# Altium PCB usb-cereal-pcb.PcbDoc (continued)
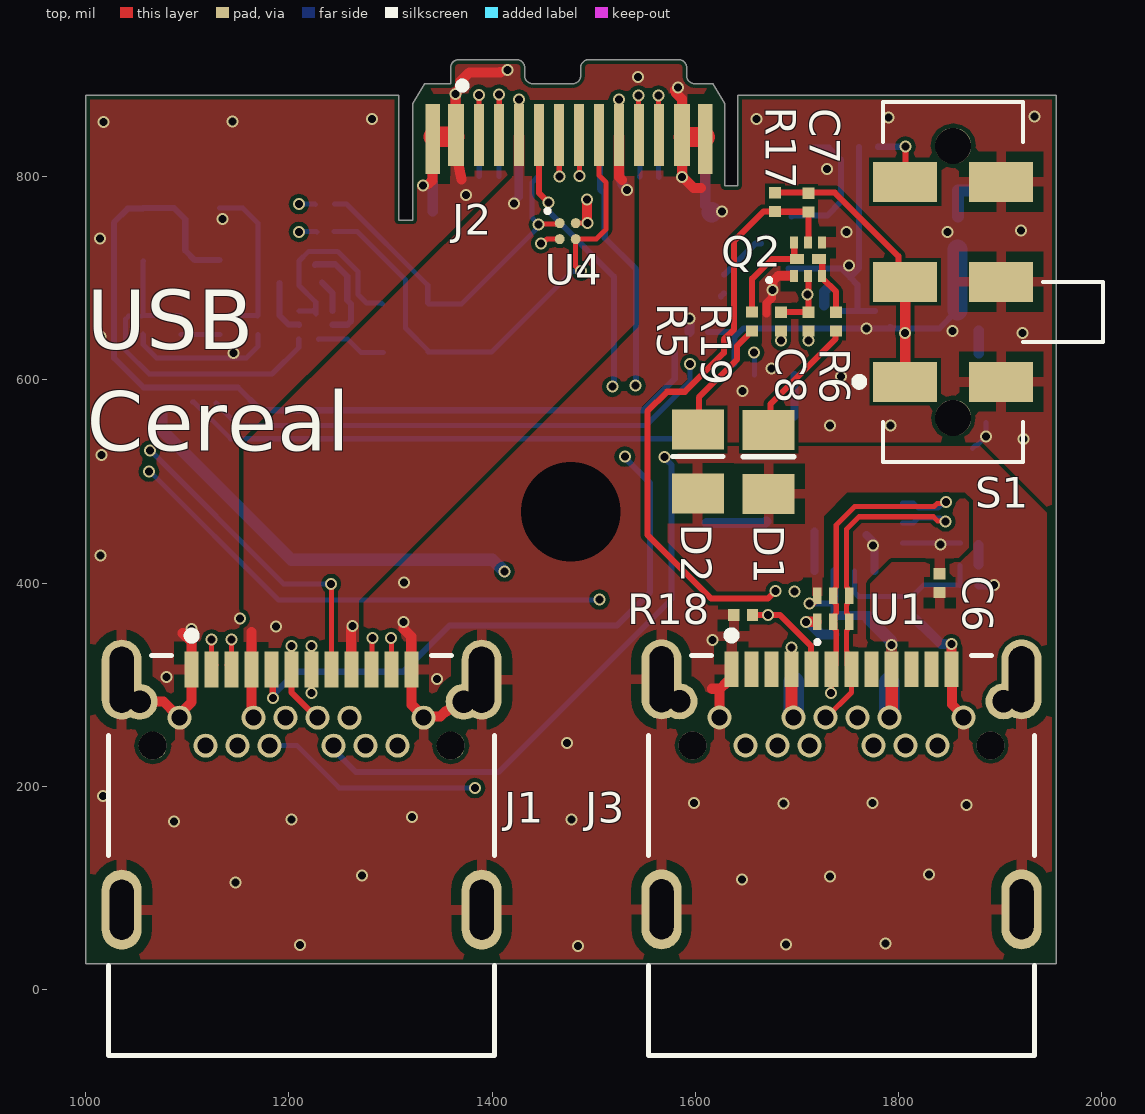
[diagram p0: top view]
## Part data
C1 C2 C9 C10: library part GRM033R60J105MEA2D, "CAP CER 1UF 6.3V X5R 0201", Digi-Key Part Number=490-7229-1-ND, Manufacturer="Murata Electronics North America", Operating Temperature="-55°C ~ 85°C", Package / Case="0.024\" L x 0.012\" W (0.60mm x 0.30mm)", Ratings=-, Temperature Coefficient=X5R, Tolerance=±20%, Voltage=6.3V, @ qty=0, Applications="General Purpose", Datasheets=http://www.murata.com/~/media/webrenewal/support/library/catalog/products/capacitor/mlcc/c02e.pdf, Factory Stock=0, Failure Rate="Surface Mount, MLCC", Features="Derating Recommended", Height - Seated (Max)="0.013\" (0.33mm)", Image=//media.digikey.com/Renders/Murata%20Renders/ZRB-SERIES-0402.jpg, Lead Spacing=-, Minimum Quantity=1, Mounting Type="0201 (0603 Metric)", Packaging="Cut Tape (CT)", Part Number=GRM033R60J105MEA2D, Part Status=Active, Quantity Available=223818, Series=GRM, Size / Dimension=-, Thickness (Max)=-, Unit Price (USD)=0.12
C3 C5: library part GRM033R61A104KE15D, "CAP CER 0.1UF 10V X5R 0201", Digi-Key Part Number=490-5881-1-ND, Manufacturer="Murata Electronics North America", Operating Temperature="-55°C ~ 85°C", Package / Case="0.024\" L x 0.012\" W (0.60mm x 0.30mm)", Ratings=-, Temperature Coefficient=X5R, Tolerance=±10%, Voltage=10V, @ qty=0, Applications="General Purpose", Datasheets=http://www.murata.com/~/media/webrenewal/support/library/catalog/products/capacitor/mlcc/c02e.pdf, Factory Stock=0, Failure Rate="Surface Mount, MLCC", Features=-, Height - Seated (Max)="0.013\" (0.33mm)", Image=//media.digikey.com/Renders/Murata%20Renders/ZRB-SERIES-0402.jpg, Lead Spacing=-, Minimum Quantity=1, Mounting Type="0201 (0603 Metric)", Packaging="Cut Tape (CT)", Part Number=GRM033R61A104KE15D, Part Status=Active, Quantity Available=6540866, Series=GRM, Size / Dimension=-, Thickness (Max)=-, Unit Price (USD)=0.1
C4: library part GRM035R60J475ME15D, "CAP CER 4.7UF 6.3V X5R 0201", Digi-Key Part Number=490-13230-1-ND, Manufacturer="Murata Electronics North America", Operating Temperature="-55°C ~ 85°C", Package / Case="0.024\" L x 0.012\" W (0.60mm x 0.30mm)", Ratings=-, Temperature Coefficient=X5R, Tolerance=±20%, Voltage=6.3V, @ qty=0, Applications="General Purpose", Datasheets=http://psearch.en.murata.com/capacitor/product/GRM035R60J475ME15%23.pdf, Factory Stock=0, Failure Rate="Surface Mount, MLCC", Features="Derating Recommended", Height - Seated (Max)="0.022\" (0.55mm)", Image=//media.digikey.com/Renders/Murata%20Renders/ZRB-SERIES-0402.jpg, Lead Spacing=-, Minimum Quantity=1, Mounting Type="0201 (0603 Metric)", Packaging="Cut Tape (CT)", Part Number=GRM035R60J475ME15D, Part Status=Active, Quantity Available=67188, Series=GRM, Size / Dimension=-, Thickness (Max)=-, Unit Price (USD)=0.54
C6: library part GRM033R61A103KA01J, "CAP CER 10000PF 10V X5R 0201", Digi-Key Part Number=490-8156-1-ND, Manufacturer="Murata Electronics North America", Operating Temperature="-55°C ~ 85°C", Package / Case="0.024\" L x 0.012\" W (0.60mm x 0.30mm)", Ratings=-, Temperature Coefficient=X5R, Tolerance=±10%, Voltage=10V, @ qty=0, Applications="General Purpose", Datasheets=http://www.murata.com/~/media/webrenewal/support/library/catalog/products/capacitor/mlcc/c02e.pdf, Factory Stock=0, Failure Rate="Surface Mount, MLCC", Features=-, Height - Seated (Max)="0.013\" (0.33mm)", Image=//media.digikey.com/Renders/Murata%20Renders/ZRB-SERIES-0402.jpg, Lead Spacing=-, Minimum Quantity=1, Mounting Type="0201 (0603 Metric)", Packaging="Cut Tape (CT)", Part Number=GRM033R61A103KA01J, Part Status=Active, Quantity Available=134975, Series=GRM, Size / Dimension=-, Thickness (Max)=-, Unit Price (USD)=0.1
C7 C8: library part GRM033R61A225KE47D, "CAP CER 2.2UF 10V X5R 0201", Digi-Key Part Number=490-13227-1-ND, Manufacturer="Murata Electronics North America", Operating Temperature="-55°C ~ 85°C", Package / Case="0.024\" L x 0.012\" W (0.60mm x 0.30mm)", Ratings=-, Temperature Coefficient=X5R, Tolerance=±10%, Voltage=10V, @ qty=0, Applications="General Purpose", Datasheets=http://www.murata.com/~/media/webrenewal/support/library/catalog/products/capacitor/mlcc/c02e.pdf, Factory Stock=0, Failure Rate="Surface Mount, MLCC", Features="Derating Recommended", Height - Seated (Max)="0.015\" (0.39mm)", Image=//media.digikey.com/Renders/Murata%20Renders/ZRB-SERIES-0402.jpg, Lead Spacing=-, Minimum Quantity=1, Mounting Type="0201 (0603 Metric)", Packaging="Cut Tape (CT)", Part Number=GRM033R61A225KE47D, Part Status=Active, Quantity Available=8, Series=GRM, Size / Dimension=-, Thickness (Max)=-, Unit Price (USD)=0.28
D1: "LED", Color=Green
D2: "LED", Color=Yellow
D5: "Dual Schottky Barrier Diodes, 6-Pin SOT-363, Tape and Reel", Manufacturer="On Semiconductor", Supplier Part Number 1=MBD54DWT1OSCT-ND, ComponentLink1Description="Manufacturer URL", ComponentLink1URL=http://www.onsemi.com/, ComponentLink2Description=Datasheet, ComponentLink2URL=http://www.onsemi.cn/pub_link/Collateral/MBD54DWT1-D.PDF, ComponentLink3Description="Package Specification", ComponentLink3URL=http://www.onsemi.com/pub_link/Collateral/NTJD4001N-D.PDF, Configuration=Dual, DatasheetVersion="Rev. 7", IFSM Max (A)=0.6, Mounting Technology="Surface Mount", PackageDescription="6-Pin Small Outline Transistor, Body 2 x 1.25 mm, Pitch 0.65 mm", PackageReference=SOT-363-6-419B-02_W, PackageVersion="Rev. W, 01/2006", Packing="Tape and Reel", PartNumber=MBD54DWT1, RoHS=FALSE, Supplier 1=Digi-Key, trr Max (ns)=5
J1 J3: "Type C, USB 3.1 Gen 2, 5 A, Right Angle, Surface Mount _SMT_ , USB Receptacle", Package=None, Availability=Unavailable, CUI_purchase_URL=https://www.cuidevices.com/product/interconnect/connectors/usb-connectors/uj31-ch-g1-smt-tr?utm_source=snapeda.com&utm_medium=referral&utm_campaign=snapedaBOM, MF="CUI Devices", MP=UJ31-CH-G1-SMT-TR, Price=None, SnapEDA_Link=https://www.snapeda.com/parts/UJ31-CH-G1-SMT-TR/CUI%20Devices/view-part/2754415/?ref=snap
J2: "USB-C _USB TYPE-C_ USB 3.1 _USB 3.1 Gen 2, Superspeed+_ Plug Connector 24 Position Board Edge, Straddle Mount", Package=None, Digi-Key_Part_Number=670-2868-1-ND, Digi-Key_Purchase_URL=https://www.digikey.tw/product-detail/en/jae-electronics/DX07P024AJ1R1500/670-2868-1-ND/6003057?utm_source=snapeda&utm_medium=aggregator&utm_campaign=symbol, MF="JAE Electronics", MP=DX07P024AJ1R1500, SnapEDA_Link=https://www.snapeda.com/parts/DX07P024AJ1R1500/JAE%20Electronics/view-part/699541/?ref=snap
Q1 Q2: "Dual N-Channel Trench MOSFET, 20 V, 0.6 A, -55 to 150 degC, 8-Pin SOT1216", Manufacturer="NXP Semiconductors", Supplier Part Number 1=PMDXB600UNEZ-ND, Channel Type=N, Ciss [typ] (pF)=21.3, ComponentLink1Description="Manufacturer URL", ComponentLink1URL=http://www.nxp.com/, ComponentLink2Description=Datasheet, ComponentLink2URL=http://www.nxp.com/documents/data_sheet/PMDXB600UNE.pdf, ComponentLink3Description="Package Specification", ComponentLink3URL=http://www.nxp.com/documents/outline_drawing/sot1216_po.pdf, Coss [typ] (pF)=5.4, DatasheetVersion="Rev. 1", ID [max] (A)=0.6, Mounting Technology="Surface Mount", PackageDescription="6-Pin Small Outline No-Lead, Body 1.1 x 1 mm, Pitch 0.35 mm", PackageReference=SOT1216, PackageVersion="13-03-06, 03/2013", PartNumber=PMDXB600UNEZ, Supplier 1=Digi-Key, Supplier 2=Newark, Supplier 3=Mouser, Supplier Part Number 2=23X8428, Supplier Part Number 3=771-PMDXB600UNEZ, VDS [max] (V)=20, VGSth [typ] (V)=0.7
R1 R2 R7 R8 R13 R14 R16: library part ERJ-1GN0R00C, "RES SMD 0.0OHM JUMPER 1/20W 0201", Digi-Key Part Number=P15979CT-ND, Manufacturer="Panasonic Electronic Components", Operating Temperature="-55°C ~ 125°C", Package / Case="0201 (0603 Metric)", Power (Watts)="0.05W, 1/20W", Supplier Device Package=0201, Temperature Coefficient=-, Tolerance=Jumper, @ qty=1500, Composition="Thick Film", Datasheets=http://industrial.panasonic.com/www-cgi/jvcr13pz.cgi?E+PZ+3+AOA0001+ERJ1GN0R00C+8+WW, Factory Stock=0, Failure Rate=-, Features="Automotive AEC-Q200", Height - Seated (Max)="0.010\" (0.26mm)", Image=//media.digikey.com/Renders/Panasonic%20Renders/ERJ-0201%20Pkg.jpg, Minimum Quantity=1, Number of Terminations=2, Packaging="Cut Tape (CT)", Part Number=ERJ-1GN0R00C, Part Status=Active, Quantity Available=1815300, Series=ERJ, Size / Dimension="0.024\" L x 0.012\" W (0.60mm x 0.30mm)", Unit Price (USD)=0.00864
  R13 R14: Populate=DNS
R3 R4: library part ERJ-2GEJ620X, "RES SMD 62 OHM 5% 1/10W 0402", Digi-Key Part Number=P62JCT-ND, Manufacturer="Panasonic Electronic Components", Operating Temperature="-55°C ~ 155°C", Package / Case="0402 (1005 Metric)", Power (Watts)="0.1W, 1/10W", Supplier Device Package=0402, Temperature Coefficient=±200ppm/°C, Tolerance=±5%, @ qty=1500, Composition="Thick Film", Datasheets=http://industrial.panasonic.com/www-cgi/jvcr13pz.cgi?E+PZ+3+AOA0001+ERJ2GEJ620X+7+WW, Factory Stock=0, Failure Rate=-, Features="Automotive AEC-Q200", Height - Seated (Max)="0.016\" (0.40mm)", Image=//media.digikey.com/Photos/Panasonic%20Photos/ERJ-PA2-Series.jpg, Minimum Quantity=1, Number of Terminations=2, Packaging="Cut Tape (CT)", Part Number=ERJ-2GEJ620X, Part Status=Active, Quantity Available=429144, Series=ERJ, Size / Dimension="0.039\" L x 0.020\" W (1.00mm x 0.50mm)", Unit Price (USD)=0.00350
R5: library part ERJ-1GEF1001C, "RES SMD 1K OHM 1% 1/20W 0201", Digi-Key Part Number=P1.00KABCT-ND, Manufacturer="Panasonic Electronic Components", Operating Temperature="-55°C ~ 125°C", Package / Case="0201 (0603 Metric)", Power (Watts)="0.05W, 1/20W", Supplier Device Package=0201, Temperature Coefficient=±200ppm/°C, Tolerance=±1%, @ qty=1500, Composition="Thick Film", Datasheets=//media.digikey.com/pdf/Data%20Sheets/Panasonic%20Resistors%20Thermistors%20PDFs/ERJ_G,R,E_Rev08.pdf, Factory Stock=0, Failure Rate=-, Features=-, Height - Seated (Max)="0.010\" (0.26mm)", Image=//media.digikey.com/Renders/Panasonic%20Renders/ERJ-0201%20Pkg.jpg, Minimum Quantity=1, Number of Terminations=2, Packaging="Cut Tape (CT)", Part Number=ERJ-1GEF1001C, Part Status=Active, Quantity Available=359548, Series=ERJ, Size / Dimension="0.024\" L x 0.012\" W (0.60mm x 0.30mm)", Unit Price (USD)=0.00933
R6: library part ERJ-1GEF2700C, "RES SMD 270 OHM 1% 1/20W 0201", Digi-Key Part Number=P270ABCT-ND, Manufacturer="Panasonic Electronic Components", Operating Temperature="-55°C ~ 125°C", Package / Case="0201 (0603 Metric)", Power (Watts)="0.05W, 1/20W", Supplier Device Package=0201, Temperature Coefficient=±200ppm/°C, Tolerance=±1%, @ qty=1500, Composition="Thick Film", Datasheets=//media.digikey.com/pdf/Data%20Sheets/Panasonic%20Resistors%20Thermistors%20PDFs/ERJ_G,R,E_Rev08.pdf, Factory Stock=0, Failure Rate=-, Features=-, Height - Seated (Max)="0.010\" (0.26mm)", Image=//media.digikey.com/Renders/Panasonic%20Renders/ERJ-0201%20Pkg.jpg, Minimum Quantity=1, Number of Terminations=2, Packaging="Cut Tape (CT)", Part Number=ERJ-1GEF2700C, Part Status=Active, Quantity Available=19115, Series=ERJ, Size / Dimension="0.024\" L x 0.012\" W (0.60mm x 0.30mm)", Unit Price (USD)=0.00933
R9 R10: library part ERJ-1GEF5362C, "RES SMD 53.6K OHM 1% 1/20W 0201", Digi-Key Part Number=P53.6KABCT-ND, Manufacturer="Panasonic Electronic Components", Operating Temperature="-55°C ~ 125°C", Package / Case="0201 (0603 Metric)", Power (Watts)="0.05W, 1/20W", Supplier Device Package=0201, Temperature Coefficient=±200ppm/°C, Tolerance=±1%, @ qty=1500, Composition="Thick Film", Datasheets=//media.digikey.com/pdf/Data%20Sheets/Panasonic%20Resistors%20Thermistors%20PDFs/ERJ_G,R,E_Rev08.pdf, Factory Stock=0, Failure Rate=-, Features=-, Height - Seated (Max)="0.010\" (0.26mm)", Image=//media.digikey.com/Renders/Panasonic%20Renders/ERJ-0201%20Pkg.jpg, Minimum Quantity=1, Number of Terminations=2, Packaging="Cut Tape (CT)", Part Number=ERJ-1GEF5362C, Part Status=Active, Quantity Available=73542, Series=ERJ, Size / Dimension="0.024\" L x 0.012\" W (0.60mm x 0.30mm)", Unit Price (USD)=0.00933
R11: library part ERJ-1GEF2212C, "RES SMD 22.1K OHM 1% 1/20W 0201", Digi-Key Part Number=P22.1KABCT-ND, Manufacturer="Panasonic Electronic Components", Operating Temperature="-55°C ~ 125°C", Package / Case="0201 (0603 Metric)", Power (Watts)="0.05W, 1/20W", Supplier Device Package=0201, Temperature Coefficient=±200ppm/°C, Tolerance=±1%, @ qty=1500, Composition="Thick Film", Datasheets=//media.digikey.com/pdf/Data%20Sheets/Panasonic%20Resistors%20Thermistors%20PDFs/ERJ_G,R,E_Rev08.pdf, Factory Stock=0, Failure Rate=-, Features=-, Height - Seated (Max)="0.010\" (0.26mm)", Image=//media.digikey.com/Renders/Panasonic%20Renders/ERJ-0201%20Pkg.jpg, Minimum Quantity=1, Number of Terminations=2, Packaging="Cut Tape (CT)", Part Number=ERJ-1GEF2212C, Part Status=Active, Quantity Available=91674, Series=ERJ, Size / Dimension="0.024\" L x 0.012\" W (0.60mm x 0.30mm)", Unit Price (USD)=0.00933
R12 R17 R19: library part ERJ-1GEF3012C, "RES SMD 30.1K OHM 1% 1/20W 0201", Digi-Key Part Number=P30.1KABCT-ND, Manufacturer="Panasonic Electronic Components", Operating Temperature="-55°C ~ 125°C", Package / Case="0201 (0603 Metric)", Power (Watts)="0.05W, 1/20W", Supplier Device Package=0201, Temperature Coefficient=±200ppm/°C, Tolerance=±1%, @ qty=1500, Composition="Thick Film", Datasheets=//media.digikey.com/pdf/Data%20Sheets/Panasonic%20Resistors%20Thermistors%20PDFs/ERJ_G,R,E_Rev08.pdf, Factory Stock=0, Failure Rate=-, Features=-, Height - Seated (Max)="0.010\" (0.26mm)", Image=//media.digikey.com/Renders/Panasonic%20Renders/ERJ-0201%20Pkg.jpg, Minimum Quantity=1, Number of Terminations=2, Packaging="Cut Tape (CT)", Part Number=ERJ-1GEF3012C, Part Status=Active, Quantity Available=121183, Series=ERJ, Size / Dimension="0.024\" L x 0.012\" W (0.60mm x 0.30mm)", Unit Price (USD)=0.00933
R15: library part ERJ-1GEJ472C, "RES SMD 4.7K OHM 5% 1/20W 0201", Digi-Key Part Number=P4.7KAGCT-ND, Manufacturer="Panasonic Electronic Components", Operating Temperature="-55°C ~ 125°C", Package / Case="0201 (0603 Metric)", Power (Watts)="0.05W, 1/20W", Supplier Device Package=0201, Temperature Coefficient=±200ppm/°C, Tolerance=±5%, @ qty=1500, Composition="Thick Film", Datasheets=//media.digikey.com/pdf/Data%20Sheets/Panasonic%20Resistors%20Thermistors%20PDFs/ERJ%205%25.pdf, Factory Stock=0, Failure Rate=-, Features=-, Height - Seated (Max)="0.010\" (0.26mm)", Image=//media.digikey.com/Renders/Panasonic%20Renders/ERJ-0201%20Pkg.jpg, Minimum Quantity=1, Number of Terminations=2, Packaging="Cut Tape (CT)", Part Number=ERJ-1GEJ472C, Part Status=Active, Quantity Available=287337, Series=ERJ, Size / Dimension="0.024\" L x 0.012\" W (0.60mm x 0.30mm)", Unit Price (USD)=0.00787
R18: library part ERJ-1GEF5101C, "RES SMD 5.1K OHM 1% 1/20W 0201", Digi-Key Part Number=P5.10KABCT-ND, Manufacturer="Panasonic Electronic Components", Operating Temperature="-55°C ~ 125°C", Package / Case="0201 (0603 Metric)", Power (Watts)="0.05W, 1/20W", Supplier Device Package=0201, Temperature Coefficient=±200ppm/°C, Tolerance=±1%, @ qty=1500, Composition="Thick Film", Datasheets=//media.digikey.com/pdf/Data%20Sheets/Panasonic%20Resistors%20Thermistors%20PDFs/ERJ_G,R,E_Rev08.pdf, Factory Stock=0, Failure Rate=-, Features=-, Height - Seated (Max)="0.010\" (0.26mm)", Image=//media.digikey.com/Renders/Panasonic%20Renders/ERJ-0201%20Pkg.jpg, Minimum Quantity=1, Number of Terminations=2, Packaging="Cut Tape (CT)", Part Number=ERJ-1GEF5101C, Part Status=Active, Quantity Available=106914, Series=ERJ, Size / Dimension="0.024\" L x 0.012\" W (0.60mm x 0.30mm)", Unit Price (USD)=0.00933
R20: library part ERJ-1GEJ103C, "RES SMD 10K OHM 5% 1/20W 0201", Digi-Key Part Number=P10KAGCT-ND, Manufacturer="Panasonic Electronic Components", Operating Temperature="-55°C ~ 125°C", Package / Case="0201 (0603 Metric)", Power (Watts)="0.05W, 1/20W", Supplier Device Package=0201, Temperature Coefficient=±200ppm/°C, Tolerance=±5%, @ qty=1500, Composition="Thick Film", Datasheets=//media.digikey.com/pdf/Data%20Sheets/Panasonic%20Resistors%20Thermistors%20PDFs/ERJ%205%25.pdf, Factory Stock=0, Failure Rate=-, Features=-, Height - Seated (Max)="0.010\" (0.26mm)", Image=//media.digikey.com/Renders/Panasonic%20Renders/ERJ-0201%20Pkg.jpg, Minimum Quantity=1, Number of Terminations=2, Packaging="Cut Tape (CT)", Part Number=ERJ-1GEJ103C, Part Status=Active, Quantity Available=216826, Series=ERJ, Size / Dimension="0.024\" L x 0.012\" W (0.60mm x 0.30mm)", Unit Price (USD)=0.00787
S1: "Slide Switch DPDT Surface Mount, Right Angle", Package=None, Availability=Unavailable, MF=C&K, MP=JS202011JAQN, Price=None, SnapEDA_Link=https://www.snapeda.com/parts/JS202011JAQN/C&K/view-part/564121/?ref=snap
U1: "Ultra Low Capacitance ESD Protection Array for High Speed Data Line Protection, 6-Pin UDFN, Pb-Free, Tape and Reel", Manufacturer="On Semiconductor", Supplier Part Number 1=92T2061, C Max (pF)=0.6, ComponentLink1Description="Manufacturer URL", ComponentLink1URL=http://www.onsemi.com/, ComponentLink2Description=Datasheet, ComponentLink2URL=http://www.onsemi.cn/pub_link/Collateral/ESDR0502N-D.PDF, ComponentLink3Description="Package Specification", ComponentLink3URL=http://www.onsemi.com/pub_link/Collateral/517AA.PDF, DatasheetVersion="Rev. 4", Direction=Unidirectional, IR Max (uA)=1, Mounting Technology="Surface Mount", Number of Lines=4, PackageDescription="6-Pin Small Outline No-Lead, Body 1.2 x 1 mm, Pitch 0.4 mm", PackageReference=UDFN-6-517AA-01, PackageVersion="Rev. D, 09/2010", Packing="Tape and Reel", PartNumber=ESDR0502NMUTAG, PPK Max (W)=100, RoHS=Pb-Free, Supplier 1=Newark, Supplier 2=Mouser, Supplier Part Number 2=863-ESDR0502NMUTAG, V(BR) Min (V)=6, VRWM Max (V)=5.5
U2: "Single Output Fast Transient Response LDO, 250 mA, Adjustable 1.5 to 5.5 V Output, 2.7 to 10 V Input, with Power Good Output, 8-pin MSOP (DGK), -40 to 125 degC, Green (RoHS & no Sb/Br)", Manufacturer="Texas Instruments", Power Good=TRUE, Supplier Part Number 1=296-8115-5-ND, Accuracy(%)=2, Code_JEDEC=MO-187, ComponentLink1Description="Manufacturer URL", ComponentLink1URL=http://www.ti.com/, ComponentLink2Description=Datasheet, ComponentLink2URL=http://www.ti.com/general/docs/lit/getliterature.tsp?genericPartNumber=TPS77401&fileType=pdf, ComponentLink3Description="Package Specification", ComponentLink3URL=http://www.ti.com/litv/pdf/mpds028d, DatasheetVersion=SLVS281E, Eco-Plan="Green (RoHS & no Sb/Br)", Iout(Max)(A)=0.25, Iq(Typ)(mA)=0.09, Mounting Technology="Surface Mount", PackageDescription="8-Pin Thin Small Outline Package 3 x 3 mm Body ,0.65 mm Pitch", PackageReference=DGK8, PackageVersion=4073329/E, PartNumber=TPS77401DGK, SubFamily="Single Channel LDO", Supplier 1=Digi-Key, Supplier 2=Newark, Supplier 3=Mouser, Supplier Part Number 2=77C1228, Supplier Part Number 3=595-TPS77401DGK, Vdo(Typ)(mV)=200, Vin(Max)(V)=10, Vin(Min)(V)=2.7, Vout Adj(Max)(V)=5.5, Vout Adj(Min)(V)=1.5
U3: "USB Bridge, USB to UART USB 2.0 UART Interface 32-QFN _5x5_", Package="QFN-32 FTDI", Digi-Key_Part_Number=768-1008-1-ND, Digi-Key_Purchase_URL=https://www.digikey.com/product-detail/en/ftdi-future-technology-devices-international-ltd/FT232RQ-REEL/768-1008-1-ND/1836403?utm_source=snapeda&utm_medium=aggregator&utm_campaign=symbol, MF=FTDI,, MP=FT232RQ-REEL, SnapEDA_Link=https://www.snapeda.com/parts/FT232RQ-REEL/FTDI%2C%20Future%20Technology%20Devices%20International%20Ltd/view-part/78719/?ref=snap
U4: "USB-OTG 3-Line Protection, 4-Pin WLCSP, Pb-Free, Tape and Reel", Manufacturer="On Semiconductor", Supplier Part Number 1=ESD7383NCTBG-ND, C Max (pF)=1.5, ComponentLink1Description="Manufacturer URL", ComponentLink1URL=http://www.onsemi.com/, ComponentLink2Description=Datasheet, ComponentLink2URL=http://www.onsemi.cn/pub_link/Collateral/ESD7383-D.PDF, ComponentLink3Description="Package Specification", ComponentLink3URL=http://www.onsemi.cn/pub_link/Collateral/567CB.PDF, DatasheetVersion="Rev. 0", Direction=Bidirectional, IR Max (uA)=0.1, Mounting Technology="Surface Mount", Number of Lines=3, PackageDescription="4-Ball Wafer Level Chip Scale Package, Body 0.8 x 0.8 mm, Pitch 0.4 mm", PackageReference=WLCSP-4-567CB-01, PackageVersion="Rev. O, 07/2010", Packing="Tape and Reel", PartNumber=ESD7383NCTBG, PPK Max (W)=50, RoHS=Pb-Free, Supplier 1=Digi-Key, Supplier 2=Mouser, Supplier Part Number 2=863-ESD7383NCTBG, V(BR) Min (V)=6

## Free pads (board coordinates)
  round 60 hole 98 mask+4: 2(1477.36,470.12)

## Via types
v1: diameter 11.81, hole 7.87, top to bot, tented both sides, 74 vias
v2: diameter 11.81, hole 7.87, top to top_sig, tented both sides, 48 vias
v3: diameter 11.81, hole 7.87, bot_sig to bot, tented both sides, 46 vias

## Nets (pads, with @x,y where several pads share a name; then routed paths per layer and width w, separated by ;. In a path a pad name is that pad's centre, name@x,y a point inside that pad or via, vN(x,y) a via of type N, cw(c..) or ccw(c..) an arc to the next point about the centre after c; other vN are vias at no path point)
A5_CC1: J1.A5 J2.A5 | length 928.1
  top w6: J1.A5@1182.94,306.2 1184.17,304.97 v1(1184.17,286.83) ; J2.A5@1446.27,841.31 1446.27,783.82 v1(1455.41,774.68)
  bot_sig w6: v1@1518.22,593.15 1518.32,593.06 1518.32,536.77 v1(1530.61,524.48)
  bot w6: v1(1184.17,286.83) 1184.17,289.83 1207.07,312.74 1312.65,312.74 1358.39,358.48 1523.15,358.48 1555.63,390.96 1555.63,498.35 v1@1531.78,522.2 ; v1(1455.41,774.68) 1455.41,766.26 1519.9,701.77 v1@1519.9,594.87
  other v1: 1518.32,593.3
A8_SBU1: J2.A8 R2.1 R4.2 U4.B2 | length 489.3
  top w5: U4.B2@1482.31,737.06 1483.93,738.68 1502.57,738.68 1512.13,748.23 1512.13,794.49 1505.38,801.24 J2.A8@1505.38,816.9 ; U4.B2 1482.29,738.54 1482.29,711.71 v1@1483.08,710.92
  bot w5: R2.1@1244.4,745.96 1267.5,745.96 1314.87,698.59 1314.87,651.01 R4.2 ; R4.2@1336.77,627.31 1399.51,627.31 1479,706.8 v1@1488.51,706.8
  other v1: 1487.66,707.22
B5_CC2: J1.B5 J2.B5 | length 896.7
  bot_sig w6: v1@1540.82,593.32 1541.17,592.96 1541.17,552.66 v1(1569.87,523.96)
  bot w6: J1.B5 1244.08,236.05 1266.01,214.11 1406.49,214.11 1576.61,384.23 1576.61,516.42 v1@1572.36,520.67 ; J2.B5 1506.12,840.05 1506.12,787.82 1510.93,783.02 1510.93,739.7 1541.8,708.83 1541.8,595.85 v1@1541.25,595.3
  other v1: 1541.17,594.38
B8_SBU2: J2.B8 R1.1 R3.2 U4.A1 | length 400.6
  top w5: v1(1445.95,752.92) 1446.66,753.63 1464.63,753.63 U4.A1@1465.51,754.51
  bot w5: R1.1@1244.79,773.24 1256.64,773.24 1336.72,693.16 1336.72,675.9 R3.2 ; R3.2@1337.39,674.59 1369.73,674.59 1442.54,747.4 1442.54,747.67 1446.27,751.4 v1@1446.27,752.92 ; v1(1445.95,752.92) 1439.31,759.55 1439.31,794.14 1446.27,801.1 J2.B8@1446.27,841.31
D_N: J1.A7 J1.B7 J2.A7 | length 680.3
  top w5: J1.A7@1221.1,316.9 1222.27,318.06 1222.27,337.84 v2(1222.11,338) ; J1.A7@1221.79,303.41 1222.44,302.77 v2(1222.45,291.96) ; J2.A7@1485.64,841.31 1485.87,841.08 1485.87,800.89 v2(1486.1,800.66)
  top_sig w5: v2@1222.11,335.32 v2(1222.11,338) cw(c1233.86,349.75) 1217.24,349.75 1217.24,422.83 cw(c1317.24,422.83) 1246.53,493.54 1464.79,711.81 ccw(c1425.77,750.83) 1480.96,750.83 1480.96,788.25 cw(c1498.52,788.25) v2(1486.1,800.66)
  top_sig w6: J1.B7@1196.84,268.03 v2@1221.61,292.8
  bot_sig w6: J1.B7 J1.B7@1196.84,268.03
D_P: J1.A6 J1.B6 J2.A6 | length 683.4
  top w5: J1.A6@1202.12,323.54 1202.69,324.12 1202.69,337.95 v2(1202.64,338) ; J2.A6@1465.96,841.31 1466.1,841.17 1466.1,800.52 v2(1466.24,800.38)
  top w6: J1.A6@1202.54,314.52 1202.41,314.38 1202.41,292.61 1226.68,268.34 1228.33,268.34 J1.B6
  top_sig w5: v2(1202.64,338) ccw(c1193.96,346.68) 1206.24,346.68 1206.24,422.83 cw(c1317.24,422.83) 1238.75,501.32 1457.02,719.58 ccw(c1425.77,750.83) 1469.96,750.83 1469.96,791.41 ccw(c1457.28,791.41) v2(1466.24,800.38)
  bot_sig w6: J1.B6 J1.B6@1228.33,269.65
DBG_CC: J3.A5 J3.B5 R18.2 | length 695.3
  top w6: R18.2 1670.26,368.78 v1@1671.36,367.69 ; v1(1671.58,368.79) 1683.3,368.79 1714,338.08 1714,315.73 J3.A5
  top_sig w6: v1(1671.58,368.79) 1664.11,368.79 1647.6,385.29 1533.97,385.29 1508.7,360.02 1508.7,231.83 1536.6,203.93 1739.1,203.93 J3.B5
DBG_VBUS: C1.1 C3.1 C4.1 C6.1 D1.1 D2.1 J3.A4 J3.A9 J3.B4 J3.B9 Q1.2 Q1.5 R15.2 U1.6 U2.5 U2.6 U3.19 | length 1548.8
  top w6: v1(1712.44,379.87) 1715.59,379.87 U1.6@1718.75,383.03
  top w12: J3.A4@1694.73,299.52 1694.73,270.2 1694.55,270.03 J3.B9 ; J3.B4 1793.43,270.08 1793.43,308.47 J3.A9@1793.67,308.7
  bot_sig w12: v3(1074.6,568.92) 1060.14,583.37 1060.14,647.39 1108.5,695.74 1207.59,695.74 v3@1225.56,713.72 ; v1@1412.29,411.39 1461.02,362.66 1628.24,362.66 1645.87,345.04 1686.43,345.04 v1(1694.82,336.65)
  bot w6: v3@1190.85,695.53 1190.85,663.38 1199.75,654.47 1209.9,654.47 Q1.5 ; v3@1225.58,713.07 1226.36,713.85 1245.67,713.85 1257.46,702.06 1257.46,678.44 1261.1,674.81 1261.1,657.78 1257.59,654.26 Q1.2 ; v1(1712.44,379.87) 1735.19,379.87 1736.99,381.66 ; v1@1893.81,397.66 cw(c1893.81,396.18) v1@1894.85,397.23
  bot w8: C3.1@1736.99,368.07 1736.99,381.66 U3.19 ; R15.2 v1@1893.81,397.66
  bot w9: C3.1@1740.5,368 1770.79,368
  bot w12: v3@1074.62,568.11 1074.62,550.98 1202.55,423.05 1400.53,423.05 v1(1412.16,411.42) ; J3.B9 J3.B9@1696.79,267.92 ; 1770.63,364.96 1793.15,342.44 v1(1793.15,339.3) ; U2.6 1858.66,786.04 U2.5@1859.19,786.56 ; U2.5 C1.1@1917.98,786.57
  bot w20: J3.B9@1696.79,267.92 1696.79,303.22 ; 1790.97,302.55 1790.97,268.1 J3.B4
  other v1: 1894.01,397.92
  other v3: 1191.11,695.77 1225.77,713.85
GND: C1.2 C2.2 C3.2 C4.2 C5.2 C6.2 C9.2 C10.2 J1.A1 J1.A12 J1.B1 J1.B12 J1.SH1 J1.SH2 J1.SH3 J1.SH4 J1.SH5 J1.SH6 J2.13 J2.14 J2.15 J2.16 J2.17 J2.18 J2.A1 J2.A12 J2.B1 J2.B12 J3.A1 J3.A12 J3.B1 J3.B12 J3.SH1 J3.SH2 J3.SH3 J3.SH4 J3.SH5 J3.SH6 pad.2 Q2.1 Q2.4 R12.1 R16.1 R18.1 R20.1 S1.4 S1.5 S1.6 U1.1 U2.4 U3.4 U3.17 U3.20 U3.24 U3.26 U3.33 U4.A2 U4.B1 | length 1333.3
  top w5: J1.B12@1089.8,270.28 1091.3,270.28 1091.3,267.57 J1.B12 ; v2(1331.97,791.47) 1333.27,792.78 v2@1337.4,792.78 ; J2.14@1341.5,812.14 J2.14@1341.57,812.21 ; J1.SH5@1361.81,281.34 J1.SH6@1372.46,281.34 ; J2.A1@1363.99,841.43 J2.A1 ; v2(1448.06,734.38) 1449.9,734.38 1454.11,738.59 1465.31,738.59 U4.B1@1466.22,737.69 ; U4.A2 1482.44,754.44 v2@1493.4,754.44 ; v2@1493.59,754.44 v2@1496.09,754.44 ; J2.A12@1586.76,829.65 1587.14,829.27 J2.A12@1587.1,829.23 ; J3.A12@1851.81,319.52 J3.A12@1852.12,319.83 ; v1(1852,339.97) v1@1852.12,339.85
  top w8: 1670.27,665.21 1670.27,675.52 1675.56,680.82 v2@1675.56,687.79
  top w9: v2@1675.56,687.79 1676.43,688.66 1676.43,697.28 1681.71,702.56 Q2.1@1696.84,702.56
  top w10: J1.SH2@1068.95,283.44 1076.63,283.44 J1.B12@1089.8,270.28 ; J1.B12@1091.82,270.57 1104.32,283.07 J1.A1 ; 1095.61,350.72 1104.32,342.01 J1.A1@1104.32,319.5 ; v2(1312.89,361.53) 1312.89,355.07 1320.41,347.55 1320.41,317.15 J1.A12@1320.56,317.01 ; J1.A12 1320.85,280.24 1332.66,268.43 J1.B1 1333.93,268.84 1349.31,268.84 1354.78,274.31 1356.13,274.31 1361.81,279.99 J1.SH5@1361.81,281.34 ; v2@1337.4,792.78 1341.5,796.88 J2.14@1341.5,812.14 ; J2.A1@1362.88,839.33 J2.A1 ; J2.A1@1363.84,825.69 1370.02,797.31 ; v2(1363.83,881.39) 1363.83,881.89 v2@1363.99,882.04 ; J2.A1@1363.99,841.43 v2@1363.99,882.04 ; 1384.36,902.56 1377.7,902.56 1369.25,894.11 1369.25,887.31 v2@1363.99,882.04 ; 1384.98,902.63 1407.98,902.63 1408.12,902.77 ; v1(1493.4,777.52) 1493.4,754.44 1493.4,754.17 v2@1493.59,753.98 ; v2@1580.12,884.39 1582.85,887.12 v2(1582.85,887.64) 1582.67,887.64 v2@1580.12,885.08 ; v2@1581.04,882.24 1586.9,876.38 J2.A12@1586.9,867.17 ; J2.A12 J2.A12@1588.72,839.14 ; J2.A12@1587.1,829.23 v1(1587.1,799.8) 1587.59,799.8 1598.49,788.9 1605.51,788.9 ; 1616.69,296.11 1623.04,296.11 1623.89,295.25 ; J3.B12 1623.89,295.25 ; J3.A1@1635.15,309.29 1635.15,304.12 1633.81,302.78 1631.41,302.78 1623.89,295.25 ; v1@1709.17,361.96 U1.1@1719.5,361.96 ; J3.A12@1852.12,319.83 v1@1852.12,339.85 ; J3.A12@1852.69,314.84 1852.69,280.52 1864.05,269.17 J3.B1
  top w20: J2.14@1342.33,839.33 J2.A1@1362.88,839.33 ; J2.A12@1588.72,839.14 J2.13@1609.53,839.14
  bot w5: v1@1593.94,659.82 v1@1594.28,659.49 ; U3.33@1717.3,450.91 U3.33@1717.89,451.49 ; U3.33@1767.25,447.23 U3.33@1768.59,447.23 ; 1872.74,532.31 1872.74,532.45 1875.67,535.38 1876.99,535.38 v1(1885.96,544.35) 1885.96,558.04 ; C5.2@1877.73,438.44 C5.2@1878.79,437.38 ; R20.1@1878.79,418.17 R20.1 ; C10.2@1879.1,626.04 C10.2@1879.62,625.51 ; C2.2@1594.28,647.27 C2.2
  bot w8: U3.33@1697.62,564.18 U3.4 ; U3.20 U3.33@1717.3,450.91 ; U3.33@1768.59,447.23 1776.36,439.47 U3.17
  bot w10: J2.18@1341.65,765.75 J2.16 ; J2.16@1344.42,836.39 1361.41,836.39 1364.48,839.46 J2.B12 ; J2.B1@1588.3,837.39 1609.37,837.39 J2.15 J2.17@1609.76,771.84 ; C2.2@1594.28,647.27 v1@1594.28,659.49 ; U3.26 1668.44,459.15 U3.33@1669.81,460.52 ; v1@1713.21,359.78 1723.46,349.53 C3.2 ; 1726.75,673.48 1727.01,673.75 1727.01,686.99 1728.62,688.6 v3(1728.62,689.09) ; C4.2@1816.97,364.12 1822.8,358.3 1823.55,358.3 1841.84,340.01 v1(1852,339.97) v1(1852,339.97) ; R20.1@1878.79,418.17 C5.2@1878.79,437.38 ; C10.2@1879.1,626.04 C9.2
  bot w20: J2.17@1616.27,764.86 J2.17@1616.27,765.34
  other v1: 1484.7,42.99 1211.14,43.7 1689.3,44.08 1787.35,45.24 1147.71,105.42 1646.01,108.48 1732.58,111.38 1272,112.28 1830.29,113.12 1086.85,165.42 1202.74,167.48 1478.38,167.38 1321.37,169.88 1867.07,181.82 1598.67,183.44 1686.74,183.33 1774.47,183.44 1016.95,190.32 1616.79,343.93 1709.15,361.98 1313.3,400.78 1014.76,427.43 1015.42,526.22 1014.76,642.58 1594.24,660.47 1014.32,739.18 1374.42,781.91 1729.75,807.46 1017.55,853.73 1144.63,854.29 1281.95,856.72 1660.41,856.77 1790.27,858.39 1934.1,859.2
  other v2: 1473.94,242.79 1345.65,305.45 1079.37,307.48 1104.23,354.74 1151.81,364.94 1774.79,437 1841.21,437.91 1923.17,542.01 1732.76,555.36 1791.95,555.03 1646.43,589.34 1743.62,603.15 1675.2,611.13 1145.34,626.31 1922.14,646.24 1853.12,648.06 1768.46,650.46 1676.1,688.32 1751.56,712.44 1748.68,745.6 1848.46,745.81 1920.71,746.85 1493.84,754.21 1134.46,758.45 1626.16,765.7 1543.69,898.39 1414.96,905.05
  other v3: 1427.92,263.29 1662.36,265.12 1204.47,291.89 1261.25,293.3 1120.36,320.18 1476.16,328.27 1094.01,395.72 1706.55,457.39 1758.62,457.78 1876.4,467.07 1326.47,484.38 1203.27,490.71 1707,509.01 1875.2,512.27 1840.15,519.52 1656.67,559.02 1709.31,560.11 1759.07,560.63 1378.51,594.24 1232.96,595.26 1825.97,597.85 1364.77,658.77 1776.07,693.01 1081.23,694.18 1581.5,713.34 1153.86,719.74 1436.19,721.43 1796.84,748.22 1577.46,748.76 1081.23,752.04 1417.83,755.46 1532.62,768.99
LDO_FB: R10.1 R11.1 R12.2 U2.1 | length 259.9
  bot w6: U2.1@1692,709.87 1743.47,709.87 1752.37,700.97 ; R12.2@1745.66,667.93 R10.1@1776.93,667.93 ; 1759.59,671.45 1759.59,693.75 1752.37,700.97 ; R11.1 1761.19,709.79 1752.37,700.97
NetC5_1: C5.1 U3.16 | length 57.3
  bot w5: U3.16 1804.03,439.35 1860.93,439.35 C5.1@1861.1,439.52
NetD1_2: D1.2 R6.2 | length 119.6
  top w6: D1.2@1666.77,560.86 1673.49,567.58 1673.88,567.58 1673.88,576.07 1737.97,640.16 R6.2@1737.97,647.72 ; R6.2@1736.17,645.92 R6.2@1737.97,647.72 ; R6.2@1737.97,647.84 R6.2@1737.97,647.72 ; R6.2@1738.23,647.98 R6.2@1737.97,647.72
NetD2_2: D2.2 R5.2 | length 119.6
  top w6: D2.2 1603.6,552.29 1603.6,582.73 1641.2,620.32 1641.2,633.45 1653.01,645.26 1653.01,645.74 1655.54,648.27 R5.2@1656.02,648.27
NetQ1_3: Q1.3 Q1.8 R4.1 | length 69.5
  bot w5: Q1.8@1229.32,640.06 1229.74,640.48 Q1.3 ; Q1.3@1243.16,640.48 1257.5,640.48 1270.82,627.16 R4.1@1293.26,627.16
NetQ1_6: Q1.6 Q1.7 R3.1 | length 193.1
  bot w5: Q1.6 1223.28,668.04 Q1.7@1223.58,668.35 ; Q1.7 1226.46,665.18 1226.46,676.55 1210.07,692.94 1210.07,717.14 1219.54,726.61 1247.93,726.61 1267.99,706.54 1267.99,684.16 1276.49,675.67 1290.96,675.67 R3.1@1292.07,674.56
NetQ2_3: Q2.3 Q2.8 R6.1 | length 55.3
  top w6: Q2.3 Q2.8@1724.96,719.63 ; Q2.3@1725.2,699.8 1725.67,699.8 1738.27,687.19 ; R6.1 1738.55,681.14 1738.61,681.2 1738.61,686.45
NetQ2_6: Q2.6 Q2.7 R5.1 | length 99.2
  top w6: R5.1 1655.91,699.61 1675.21,718.91 1700.31,718.91 Q2.7@1700.73,719.33 ; Q2.7@1697.4,722 Q2.6
NetR9_1: R9.1 U2.2 | length 49
  bot w6: R9.1 1628.66,703.71 1659.37,734.42 U2.2@1664.55,734.42
NetR11_2: R11.2 S1.3 | length 63.3
  top w6: v1(1806.79,829.64) 1806.79,796.8 S1.3@1807.56,796.03
  bot w6: R11.2 1779.8,829.54 1807.44,829.54 v1@1808.56,828.41
NetR15_1: R15.1 R20.2 U3.18 | length 151.8
  bot w5: U3.18 1756.67,390.96 1760.71,386.92 1813.62,386.92 1824.79,398.09 R15.1@1860.49,398.09 ; R15.1 R15.1@1860.49,398.09 ; R20.2@1860.61,417.5 1860.49,417.38 R15.1@1860.49,398.09 ; R15.1@1861.32,398.09 R15.1@1860.49,398.09
NetR16_2: R16.2 U2.3 | length 131.1
  bot w6: U2.3@1694.86,760.9 1695.66,761.69 1729.9,761.69 1743.39,775.18 1743.39,816.87 1731.62,828.63 R16.2@1713.33,828.63
RX1_N: J1.B10 J2.B10 | length 704.2
  bot_sig w5: J1.B10@1149.59,242.01 J1.B10 cw(c1175.31,265.74) 1138.94,265.74 1138.94,271.44 cw(c1169.9,271.44) 1148.01,293.34 ccw(c1084.54,356.8) 1174.3,356.8 1174.3,451.1 cw(c1274.3,451.1) 1203.59,521.81 1217.19,535.42 1238.29,556.51 1383.25,701.47 ccw(c1336.29,748.43) 1402.7,748.43 1402.7,753.52 1402.7,790.13 cw(c1416.97,790.13) v3(1406.88,800.22)
  bot w5: v3(1406.88,800.22) J2.B10@1406.89,841.3
RX1_P: J1.B11 J2.B11 | length 704.1
  bot_sig w5: J1.B11@1118.1,242.01 J1.B11 ccw(c1094.33,263.78) 1127.94,263.78 1127.94,271.44 cw(c1169.9,271.44) 1140.23,301.11 ccw(c1084.54,356.8) 1163.3,356.8 1163.3,451.1 cw(c1274.3,451.1) 1195.81,529.59 1375.47,709.25 ccw(c1336.29,748.43) 1391.7,748.43 1391.7,753.52 1391.7,790.04 ccw(c1377.42,790.04) v3(1387.52,800.13)
  bot w5: J2.B11@1387.22,841.31 1387.37,841.16 1387.37,800.28 v3(1387.52,800.13)
RX2_N: J1.A10 J2.A10 | length 710.3
  top w5: J1.A10@1281.03,314.89 1281.94,315.8 1281.94,345.5 v2(1282.4,345.96) ; v2(1544.28,879.79) 1544.28,838.37 1544.77,837.88 J2.A10@1544.93,838.04
  top_sig w5: v2(1282.4,345.96) 1282.4,347.8 1286.04,351.44 1286.04,446.32 cw(c1361.3,446.32) 1308.09,499.54 1383.26,574.71 1385.17,576.63 1478.98,670.43 ccw(c1412.64,736.77) 1506.46,736.77 1506.46,799.36 cw(c1533.67,799.36) 1514.43,818.6 1545.7,849.87 ; v2(1544.28,879.79) cw(c1534.05,869.56) 1548.52,869.56 1548.52,856.68 cw(c1538.89,856.68) 1545.71,849.88
RX2_P: J1.A11 J2.A11 | length 685.7
  top w5: v2(1300.68,345.92) 1300.92,345.68 1300.92,315.81 J1.A11@1301.2,315.53 ; v2(1563.87,879.78) 1563.87,862 J2.A11@1564.48,861.39
  top_sig w5: v2(1300.68,345.92) 1300.68,347.77 1297.04,351.4 1297.04,446.32 cw(c1361.3,446.32) 1315.86,491.76 1486.76,662.65 ccw(c1412.64,736.77) 1517.46,736.77 1517.46,799.36 cw(c1533.67,799.36) 1522.21,810.82 1553.48,842.1 ccw(c1538.89,856.68) 1559.52,856.68 1559.52,868.46 cw(c1574.62,868.46) 1563.94,879.14 1563.87,879.22 v2(1563.87,879.78)
RXD: R8.2 R13.2 U3.2 | length 713.4
  bot_sig w5: v3(1112.87,644.94) 1112.87,592.49 v3(1128.18,577.18) ; v1@1595.17,615.09 1613,615.09 1624.85,626.94 1656.89,626.94 1657.47,626.35 v1(1658.06,626.94)
  bot w5: R8.2 R13.2 ; v3(1128.18,577.18) 1150.12,555.24 1551.57,555.24 1594.87,598.54 v1(1594.87,615.57) ; v1@1657.9,626.86 1658.15,626.61 1658.15,604.91 U3.2
RXD_R: D5.4 Q1.4 R8.1 R14.1 | length 339.3
  bot w5: R14.1 1056.39,663.42 R8.1@1093.26,663.42 ; D5.4@1056.77,717.21 1056.34,716.78 1056.34,664.12 1054.97,662.74 1042.34,662.74 1039.41,659.82 1039.41,628.83 1062.48,605.76 1183.52,605.76 1209.73,631.98 1209.73,640.1 Q1.4
RXLED: C8.2 Q2.2 R19.1 U3.21 | length 384.2
  top w6: R19.1 1710.31,666.67 C8.2@1711.09,665.89 ; v1@1696.79,392.88 v1(1697.91,391.77) ; Q2.2 1711.32,702.33 1711.32,667.2 C8.2@1711.52,667
  top_sig w6: v1(1697.91,391.77) 1697.91,578.63 1738,618.72 1738,656.7 v1(1710.72,684)
SBU1_R: J1.A8 R2.2 | length 675
  top w5: J1.A8 v1@1242.11,398.9
  top_sig w5: v1(1063.09,530.42) 1063.09,531.47 1057.81,536.76 1057.81,695.86 1107.64,745.7 v1(1209.96,745.7)
  bot w5: v1@1063.34,530.92 1195,399.26 v1(1241.66,399.26) ; v1(1209.96,745.7) 1210.23,745.97 1227.03,745.97 R2.2@1227.51,745.48
SBU2_R: J1.B8 R1.2 | length 1415.3
  top_sig w5: v1@1061.49,509.67 1051.29,509.67 1042.01,518.94 1042.01,706.92 1108.22,773.13 v1(1209.96,773.13) ; v1(1382.99,198.3) 1456.37,198.3 1489.9,231.84 1489.9,368.02 1504.84,382.95 v1@1504.84,383.3
  bot w5: v1(1062.27,509.66) 1063.47,509.66 1189.8,383.33 v1@1504.61,383.33 ; J1.B8 1208.13,240.01 1249.61,198.54 v1@1382.68,198.54 ; v1(1209.96,773.13) 1210.1,773.27 1225.58,773.27 R1.2@1226.31,772.54
  other v1: 1505.7,383.81
TX1_N: J1.A3 J2.A3 | length 735.6
  top w5: J1.A3@1139.34,319.36 J1.A3 ; J1.A3@1143.2,317.44 1143.37,317.61 v2(1143.37,344.34) ; J2.A3 1407.1,841.23 v2@1407.1,880.55 ; J2.A3@1406.9,841.31 J2.A3@1406.9,866.7
  top_sig w5: v2(1143.37,344.34) cw(c1153.41,354.38) 1139.22,354.38 1139.22,487.26 cw(c1239.22,487.26) 1168.51,557.97 1326.99,716.45 1340.49,729.93 ccw(c1294.21,776.19) 1359.65,776.19 1359.65,792.76 cw(c1402.81,792.76) 1372.29,823.27 1392.17,843.15 ccw(c1366.76,868.56) 1402.7,868.56 1402.7,870.8 cw(c1416.86,870.8) v2(1406.85,880.81)
TX1_P: J1.A2 J2.A2 | length 736.6
  top w5: J1.A2 J1.A2@1124.19,315.21 ; v2(1124.06,344.34) 1124.06,315.34 J1.A2@1124.19,315.21 ; J1.A2@1128.34,319.36 J1.A2@1124.19,315.21 ; J2.A2@1386.9,842.31 1387.03,842.43 v2(1387.03,880.68) ; J2.A2@1387.22,841.31 J2.A2@1387.22,866.7
  top_sig w5: v2(1124.06,344.34) ccw(c1114.02,354.38) 1128.22,354.38 1128.22,487.26 cw(c1239.22,487.26) 1160.73,565.75 1333.65,738.67 ccw(c1297.43,774.89) 1348.65,774.89 1348.65,792.76 cw(c1402.81,792.76) 1364.52,831.05 1384.39,850.93 ccw(c1366.76,868.56) 1391.7,868.56 1391.7,869.41 ccw(c1375.75,869.41) v2(1387.03,880.68)
TX2_N: J1.B3 J2.B3 | length 689
  bot_sig w5: J1.B3 ccw(c1250.83,264.76) 1285.82,264.76 1285.82,282.28 cw(c1323.97,282.28) 1297,309.26 1325.61,337.87 ccw(c1254.9,408.58) 1354.9,408.58 1354.9,469.78 cw(c1410.18,469.78) 1371.09,508.87 1420.62,558.39 1440.55,578.32 1461.48,599.25 1464.51,602.28 1520.22,657.99 ccw(c1449.51,728.7) 1549.51,728.7 1549.51,789.61 ccw(c1534.17,789.61) v3(1545.01,800.46)
  bot w5: J2.B3@1543.24,825.58 1545.46,823.36 1545.46,800.02 1545.01,799.58 v3(1545.01,800.46)
TX2_P: J1.B2 J2.B2 | length 687.8
  bot_sig w5: 1304.77,301.48 ccw(c1323.97,282.28) 1296.82,282.28 1296.82,264.76 ccw(c1331.81,264.76) J1.B2 ; 1304.78,301.48 1333.39,330.1 ccw(c1254.9,408.58) 1365.9,408.58 1365.9,469.78 cw(c1410.18,469.78) 1378.87,501.09 1528,650.22 ccw(c1449.51,728.7) 1560.51,728.7 1560.51,791.35 cw(c1573.38,791.35) v3(1564.28,800.46)
  bot w5: v3(1564.28,800.46) 1564.28,799.37 1563.8,799.84 1563.8,823.66 J2.B2@1564.84,824.69
TXD: R7.2 R14.2 U3.30 | length 717.6
  bot_sig w5: v3(1095.56,622.02) 1095.56,589.21 1107.44,577.33 v3@1107.44,576.69
  bot w5: R14.2 1056.68,644.63 1056.68,634.88 1069.82,621.74 1158.32,621.74 1169.71,633.13 R7.2@1169.71,644.78 ; v3(1105.4,578.11) 1106.66,578.11 1142.7,542.07 1577.3,542.07 1581.49,537.89 U3.30
TXD_R: D5.1 Q1.1 R7.1 R13.1 | length 276.5
  bot_sig w6: v3@1167.74,679.6 1167.92,679.42 v3(1169.13,679.42) 1215.23,679.42 v3(1232.18,696.37)
  bot w5: D5.1 1154.84,769.04 1169.58,754.3 R7.1@1169.58,663.27 ; R13.1 1132.1,663.44 1168.74,663.44 R7.1@1169.17,663.01
  bot w6: v3@1232.53,696.05 1243.12,685.47 1243.12,668.17 Q1.1
TXLED: C7.2 Q2.5 R17.1 U3.22 | length 605.7
  top w6: R17.1@1677.61,766.25 R17.1@1678.21,765.66 ; v1(1678.82,392.13) 1671.74,385.04 1615.46,385.04 1552.87,447.63 1552.87,568.96 1572.24,588.34 1589.81,588.34 1628.25,626.77 1628.25,639.83 1638.25,649.84 1638.25,736.87 1667.04,765.66 R17.1@1678.21,765.66 ; Q2.5 1711.29,735.46 C7.2 1711.15,765.49 1678.38,765.49 R17.1@1678.21,765.66
USB_FT_HS_N: J3.A7 J3.B7 U1.3 U1.4 U3.15 | length 353.8
  top w5: J3.B7@1728.51,267.14 1753.81,292.44 J3.A7 1749.42,319.69 1749.42,332.79 1748.74,333.47 1748.74,337.61 1748.79,337.66 1748.79,353.24 1749.83,354.29 1749.83,360.11 U1.3 1749.83,363.77 1749.83,369.59 1748.79,370.64 1748.79,378.83 1749.83,379.88 1749.83,385.7 U1.4 1749.83,389.36 1749.83,395.23 1748.84,396.23 1748.84,453.1 1761.07,465.33 1834.24,465.33 1838.22,461.35 1845.5,461.35 v1(1846.34,460.51)
  bot w5: U3.15 1814.55,459.15 1819.44,464.04 1840.96,464.04 1844.5,460.51 v1(1846.34,460.51)
USB_FT_HS_P: J3.A6 J3.B6 U1.2 U1.5 U3.14 | length 367.5
  top w5: v2(1733.77,291.93) 1733.95,292.1 1733.95,313.43 J3.A6@1734.01,313.5 ; J3.A6 1738.51,319.69 1738.51,332.79 1738.74,333.02 1738.74,341.76 1738.79,341.8 1738.79,353.24 1737.75,354.29 1737.75,360.11 U1.2 1737.75,363.77 1737.75,369.59 1738.79,370.64 1738.79,378.83 1737.75,379.88 1737.75,385.7 U1.5 1737.75,389.36 1737.75,395.18 1738.79,396.23 1738.79,414.75 1738.79,457.05 ; 1738.99,457.39 1756.93,475.33 1834.9,475.33 1838.07,478.5 1845.48,478.5 v1(1846.78,479.8)
  top_sig w5: v2@1736.43,290.86 1759.43,267.86 J3.B6
  bot w5: U3.14 1814.55,478.84 1819.61,473.77 1839.06,473.77 1845.1,479.8 v1(1846.78,479.8)
VBUS: J1.A4 J1.A9 J1.B4 J1.B9 J2.A4 J2.A9 J2.B4 J2.B9 | length 570.1
  top w10: 1163.16,351.89 1163.27,351.79 1163.27,316.12 J1.A4@1163.65,315.74 ; J1.A4 1163.37,269.54 J1.B9 ; J1.A9 1261.07,315.74 1261.07,355.57 1262.73,357.24 v2(1262.73,357.73) ; J2.A9 1524.92,799.83 1527.84,796.9
  top_sig w10: J1.B9 1165.34,292.25 1165.62,292.53 ; 1165.62,289.41 1165.62,292.53 ; 1166.95,311.83 1257.63,311.83 ; v2(1187.48,357.16) ccw(c1240.25,304.38) 1165.62,304.38 1165.62,292.53 ; 1257.63,311.7 cw(c1252.33,306.4) 1259.83,306.4 J1.B4 ; 1258.68,312.13 1258.68,353.19 1262.73,357.24 v2(1262.73,357.73)
  bot w5: v1(1421.59,773.77) v1@1421.59,775.62 ; J2.B9@1426.32,840.77 J2.B9 ; J2.B4@1524.89,857.72 1524.94,857.76 v1@1524.94,875.99
  bot w8: v1@1421.59,775.62 1426.32,780.35 J2.B9@1426.32,840.77
  bot w10: J2.B4@1525.05,812.68 1525.05,805.91 ccw(c1551.66,805.91) v1(1532.84,787.09)
  other v1: 1426.56,875.94 1524.96,876.01
VSBU: C2.1 C7.1 C8.1 C9.1 C10.1 D5.3 D5.6 R9.2 R10.2 R17.2 R19.2 S1.1 S1.2 U2.7 U2.8 U3.1 | length 1509.6
  top w6: R17.2@1678.16,784.43 1711.32,784.43 1737.27,784.43 1799.94,721.76 1799.94,703.32 S1.2
  top w10: S1.1 1806.68,646.37 S1.2@1806.68,694.36
  bot w6: D5.6 1056.24,768.55 1041.4,768.55 1027.88,755.02 1027.88,621.68 1057.01,592.55 1149.96,592.55 1172.36,570.15 1548.81,570.15 1579.82,601.16 1579.82,626.95 ; D5.6@1057.86,769.04 1087.07,769.04 1097.98,758.12 1097.98,727.4 1107.53,717.86 D5.3 ; C2.1 1634.99,647.24 1639.21,643.02 ; R9.2@1625.36,682.11 R9.2@1625.36,682.69 ; R9.2@1627.87,685.2 R9.2 ; U3.1@1637.56,615.06 1638.47,615.97 1638.47,641.78 1647.32,650.63 1840.14,650.63 1858.06,668.56 ; 1791.96,651.91 1792.38,651.49 ; U2.8@1858.06,705.58 U2.8@1858.34,705.31
  bot w20: 1858.06,668.56 U2.8@1858.06,702.76 ; U2.8@1858.06,705.58 U2.7@1858.06,728.36
  other v1: 1684.32,638.65 1711.46,638.74 1806.21,646.37
pads on no net: D5.2 D5.5 J1. J2.B6 J2.B7 J3. J3.A2 J3.A3 J3.A8 J3.A10 J3.A11 J3.B2 J3.B3 J3.B8 J3.B10 J3.B11 S1. U3.3 U3.5 U3.6 U3.7 U3.8 U3.9 U3.10 U3.11 U3.12 U3.13 U3.23 U3.25 U3.27 U3.28 U3.29 U3.31 U3.32

## Polygon pours and split planes (outlines as drawn)
GND on bot "NONET_L-01_P-001" (solid, pour order 6): 962.68,957.54 1987.7,957.54 1987.7,-17.7 1988.66,-18.66 1987.7,-19.63 956.26,-19.63 956.26,957.33 956.08,957.51
VSBU on bot "NONET_L-01_P-001" (solid, pour order 2): 1825.22,745.76 1817.23,737.77 1817.23,714.7 1786.95,684.42 1775.37,672.83 1688.33,672.83 1667.88,693.28 1589.23,693.28 1570.84,674.89 1570.84,619.87 1576.51,614.2 1886.62,614.2 1894.32,621.9 1894.32,740.04 1888.52,745.83
DBG_VBUS on bot "NONET_L-01_P-001" (solid, pour order 0): 1858.11,799.02 1858.51,798.62 1858.51,748.92 1893.32,748.92 1894.32,747.92 1894.32,394.2 1886.06,385.94 1709.33,385.94 1669.76,346.37 1669.76,285.36 1688.27,266.84 1848.85,266.84 1944.62,362.62 1944.62,799.22
GND on top "NONET_L-01_P-001" (solid, pour order 7): 964.58,954.5 1989.6,954.5 1989.6,-20.74 1990.56,-21.7 1989.6,-22.67 958.16,-22.67 958.16,954.29 957.98,954.47
VBUS on top "NONET_L-01_P-001" (solid, pour order 3): 1268.74,255.63 1268.74,382.83 1521.26,635.21 1521.26,635.9 1540.19,654.83 1540.19,905.9 1419.64,905.9 1419.64,799.54 1155.45,536.09 1155.45,255.63
DBG_VBUS on top "NONET_L-01_P-001" (solid, pour order 1): 1573.14,519.88 1573.14,440.44 1631.81,381.77 1724.34,381.77 1726.47,383.9 1726.47,466 1749.7,489.23 1865.48,489.23 1873.37,481.33 1873.37,432.91 1860.99,420.54 1793.3,420.54 1772.37,399.61 1772.37,342.74 1782.73,332.38 1782.73,255.32 1788.21,249.84 1905.48,249.84 1945.97,290.33 1945.97,469.24 1880.04,535.16 1879.4,534.52 1582.4,534.52
GND on bot_gnd "NONET_L-01_P-001" (solid, pour order 4): 979.4,950.46 2004.41,950.46 2004.41,-24.78 2005.38,-25.75 2004.41,-26.71 972.98,-26.71 972.98,950.25 972.8,950.43
GND on top_gnd "NONET_L-01_P-001" (solid, pour order 5): 979.4,951.46 2004.41,951.46 2004.41,-23.78 2005.38,-24.74 2004.41,-25.71 972.98,-25.71 972.98,951.26 972.8,951.43

## Silkscreen, mask and mechanical layers (free items; w line width, h text height)
Top Overlay:
  text "USB / Cereal" at 1001.25,510.95 h100
Bottom Overlay:
  lines w10: 1075.12,34.98 1075.12,202.45 ; 1075.19,202.55 1350.18,202.55 ; 1350.27,35.16 1350.27,202.64 ; 1605.39,35.18 1605.39,202.65 ; 1605.47,202.74 1880.45,202.74 ; 1880.16,202.45 1880.58,202.87 1880.54,202.83 1880.54,35.36
  text "Serial" at 1854.45,73.19 h100
  text "Pass / Thru" at 1365.27,29.47 h100
Outline:
  circle w0.5: c1065.94,240.13 r11.81
  circle w0.5: c1065.94,240.13 r11.81
  circle w0.5: c1359.25,240.13 r11.81
  circle w0.5: c1597.44,240.13 r11.81
  circle w0.5: c1597.44,240.13 r11.81
  circle w0.5: c1890.75,240.13 r11.81
  circle w0.5: c1854.02,562.44 r15.75
  circle w0.5: c1854.02,562.44 r15.75
  circle w0.5: c1854.02,830.15 r15.75
  circle w0.5: c1477.72,470.28 r39.37
  lines w0.5: 1000,25.32 1000,880.32 1308.27,880.32 1308.27,757.32 1321.89,757.32 1321.89,871.93 1333.7,891.62 1359.29,891.62 1359.29,907.37 cw(c1367.16,907.37) 1367.16,915.24 1424.25,915.24 cw(c1424.25,907.37) 1432.12,907.37 1432.12,899.49 ccw(c1440,899.49) 1440,891.62 1479.37,891.62 ccw(c1479.37,899.49) 1487.24,899.49 1487.24,907.37 cw(c1495.11,907.37) 1495.11,915.24 1583.7,915.24 cw(c1583.7,907.37) 1591.57,907.37 1591.57,899.49 ccw(c1599.44,899.49) 1599.44,891.62 1617.16,891.62 1628.97,871.93 1628.97,791.22 1641.85,791.22 1641.85,880.32 1955.43,880.32 1955.43,25.32 1000,25.32 ; 1099.41,307.46 1109.25,307.46 1109.25,320.1 1099.41,320.1 1099.41,307.46 ; 1119.09,307.46 1128.94,307.46 1128.94,320.1 1119.09,320.1 1119.09,307.46 ; 1630.9,307.46 1640.75,307.46 1640.75,320.1 1630.9,320.1 1630.9,307.46 ; 1650.59,307.46 1660.43,307.46 1660.43,320.1 1650.59,320.1 1650.59,307.46 ; 1795.36,586.06 1838.27,586.06 1838.27,609.68 1795.36,609.68 1795.36,586.06 ; 1795.36,684.49 1838.27,684.49 1838.27,708.11 1795.36,708.11 1795.36,684.49 ; 1795.36,782.91 1838.27,782.91 1838.27,806.53 1795.36,806.53 1795.36,782.91 ; 1869.76,586.06 1912.68,586.06 1912.68,609.68 1869.76,609.68 1869.76,586.06 ; 1869.76,684.49 1912.68,684.49 1912.68,708.11 1869.76,708.11 1869.76,684.49 ; 1869.76,782.91 1912.68,782.91 1912.68,806.53 1869.76,806.53 1869.76,782.91